# KiCad board pcb.kicad_pcb (continued)
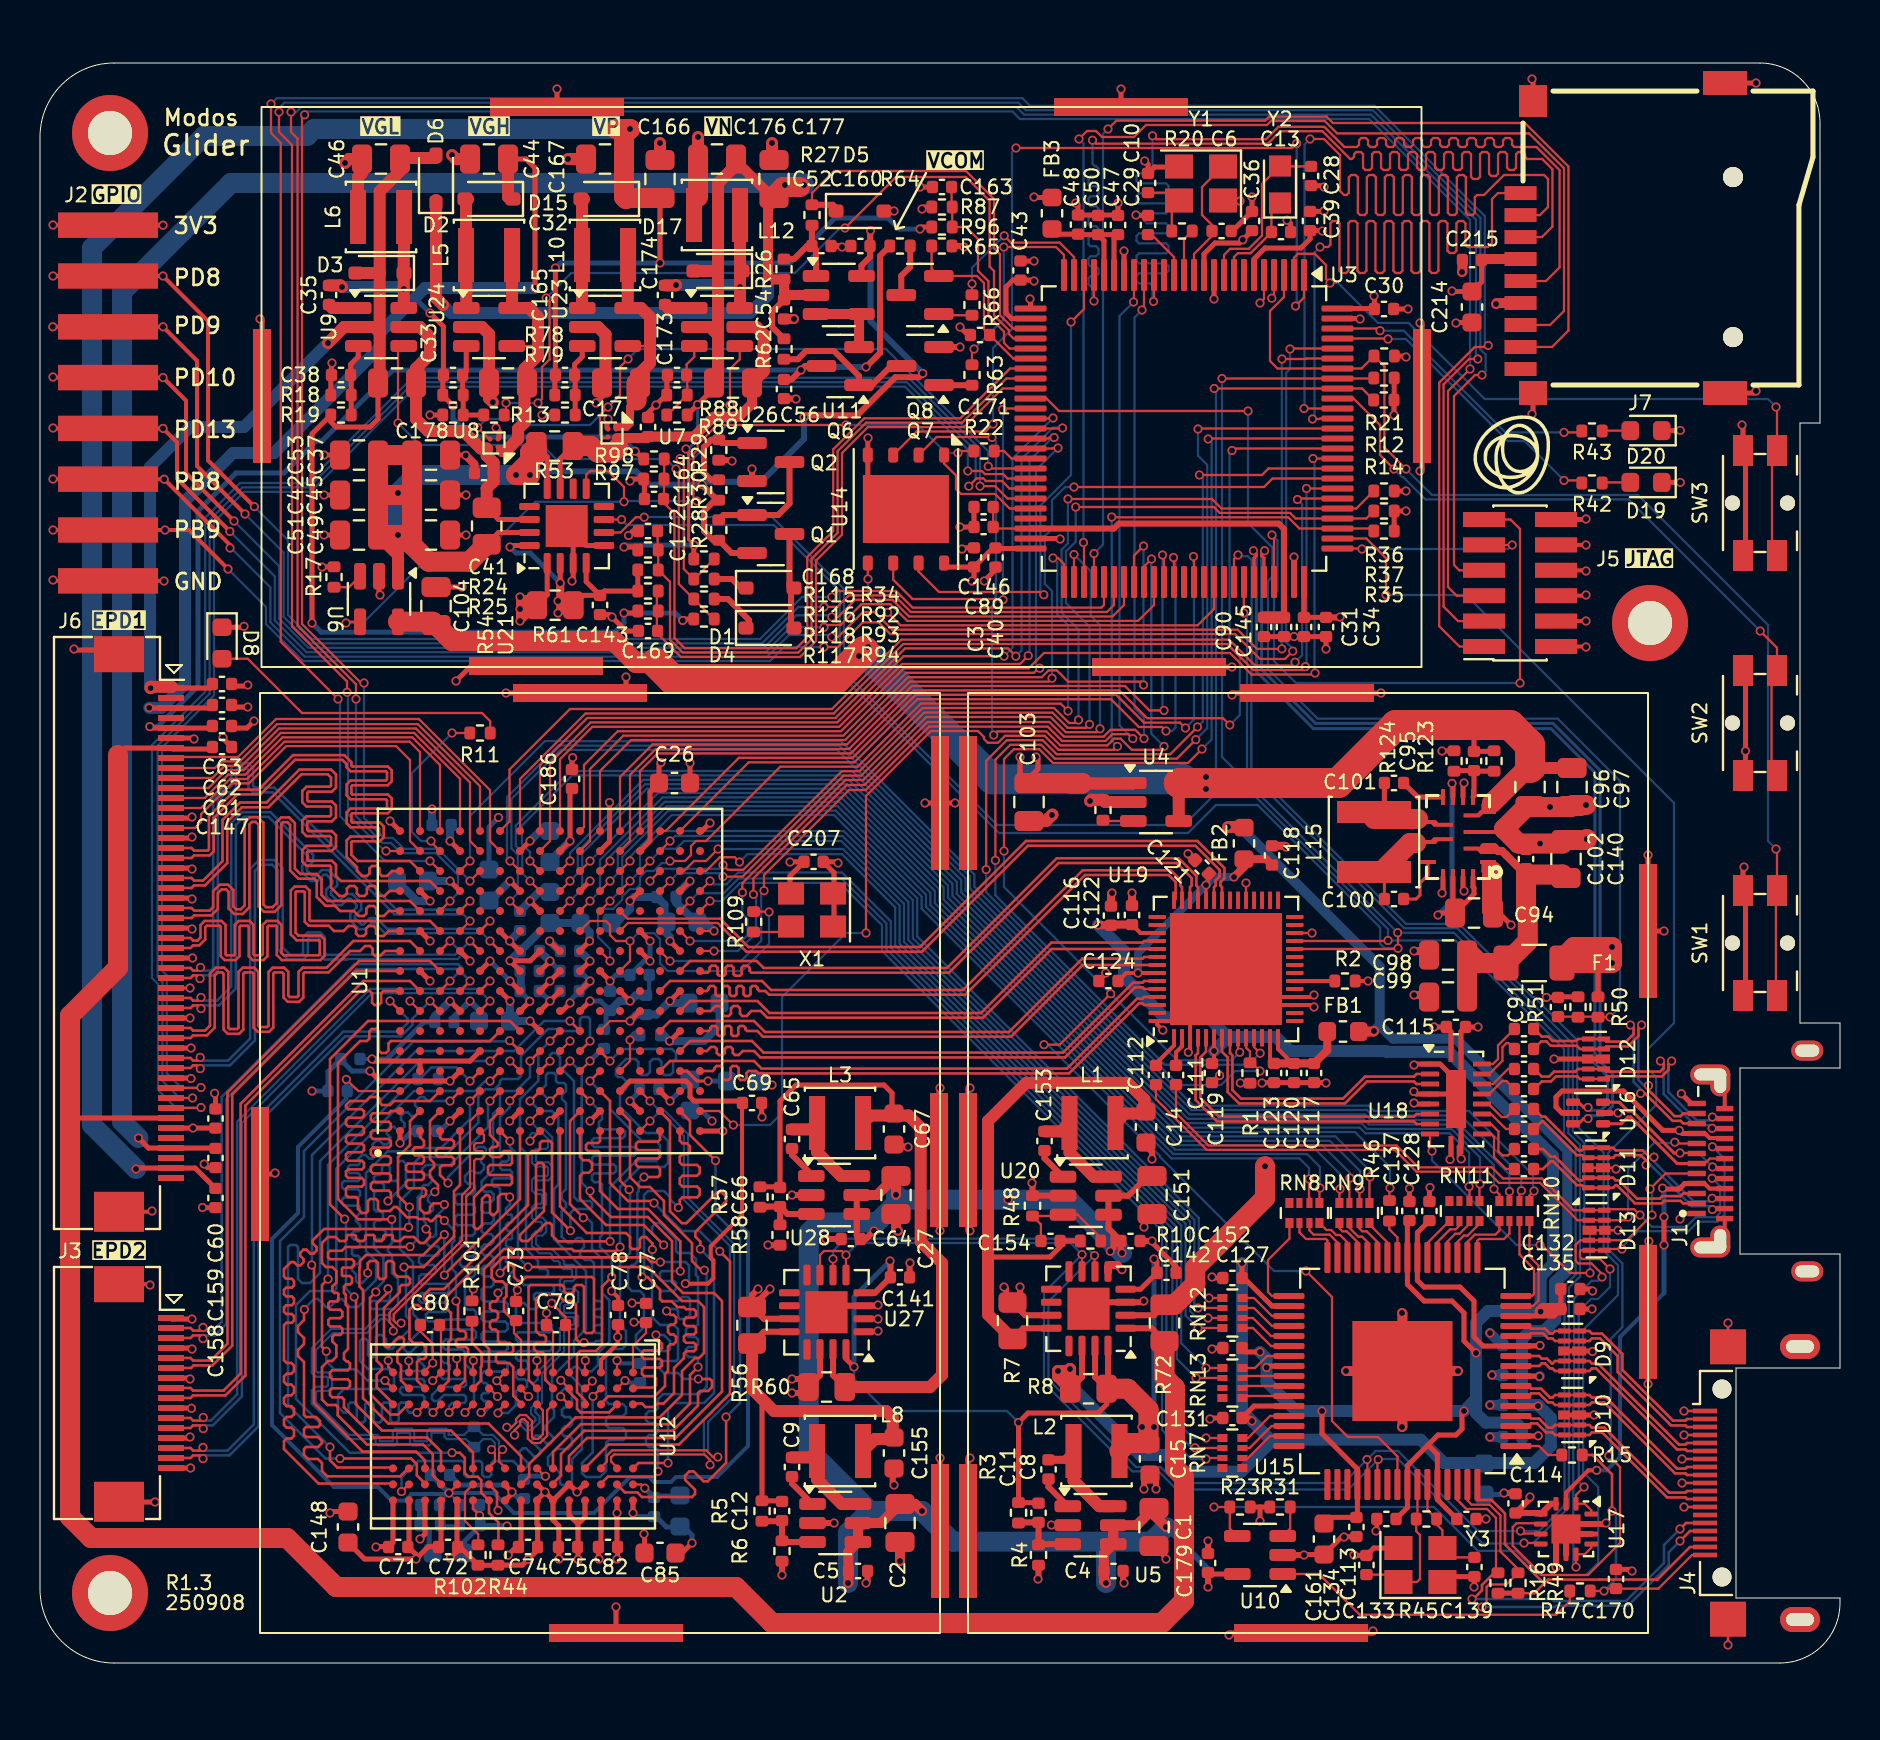
[diagram p0: board, top side]
## Routing (per net, layer and track width the routed paths; a pad name or vN(x,y) marks a point on that pad's centre or on a via; arc(x,y) is an arc through that point) (continued)
  Top w0.12: U27.2 41.89,17.21 v1(41.9,17.2) ; U27.1 41.86,16.56 v1(41.9,16.6)
  Top w0.127: J4.7 v1(82.1,10.2) ; v1(78.9,21.64) D13.8 D13.3 ; v1(78.8,24.7) 78.74,24.76 D11.3 D11.8 ; J4.SH v1(84.4,17) ; J4.SH v1(84.4,0.9) ; v1(21.98,7.38) 21.65,7.71 21.65,8.12 ; J4.4 v1(82.2,11.4) ; J4.1 v1(82.2,12.6) ; 28.85,12.92 28.46,12.53 27.03,12.53 26.85,12.71 26.85,13.16 26.45,13.56 26.45,13.72 ; J4.13 v1(82.2,7.8) ; J4.10 v1(82.1,9)
  Top w0.15: J6.31 v1(7.5,33.75) ; 78.32,27.5 v1(78.9,27.5)
  Top w0.2: J5.2 77.28,50.83 v1(77.3,50.8) ; v1(0.65,54.15) 0.69,54.11 J2.8 6.19,54.11 v1(6.2,54.1) ; J5.4 77.29,52.09 v1(77.3,52.1) ; U19.57 61.1,32.9 U19.17 63.6,32.9 v1(63.7,32.8) ; U19.57 56.7,32.1 U19.56 55.86,31.92 v1(56.14,31.64) ; U19.57 57.5,32.9 U19.3 57.5,30.62 v1(57.41,30.54) ; U19.57 60.7,33.3 U19.18 63.6,33.3 v1(63.7,33.4) ; v1(77.3,54.6) 77.26,54.63 J5.8 ; v1(5.5,18.9) 5.46,18.94 J3.MP ; J1.A1 82.28,22.48 v1(82,22.2) ; R2.1 v1(66.4,34.1) ; C124.2 53.28,34.44 v1(53.28,34.5) ; J1.S1 84.24,28.88 J1.B1 ; J6.MP 5.56,22.56 v1(5.6,22.6) ; J1.S1 84.24,21.33 J1.B12 ; v1(77.3,53.4) 77.26,53.37 J5.6 ; J5.10 77.29,55.91 v1(77.3,55.9) ; v1(28.58,18.6) 28.9,18.28 28.9,17.98
  Top w0.25: U1.B11 v1(19.5,36.1) ; v1(69,67) 69.1,66.9 H5.1 69.1,59.7 v1(69,59.6) ; J3.16 v1(7.53,9.75) ; U6.2 16.95,53.45 v1(17,53.4) ; v1(22.8,61.76) 22.95,61.61 22.95,61.25 ; 6.6,39.75 7.55,39.75 v1(7.6,39.7) ; v1(65.2,6.3) 65.22,6.32 C134.2 65.09,6.32 C161.2 63.22,5.42 v1(63.2,5.4) ; C6.2 59.62,71.6 C36.2 v1(60.6,73.3) ; 20.85,8.12 20.85,5.85 20.89,5.81 ; v1(65.7,5.4) 65.72,5.38 C113.2 66.69,5.75 Y3.4 ; v1(71.9,31.8) 71.28,31.8 71.05,31.58 U18.20 71.05,28.45 U18.21 ; v1(79.6,4.6) 79.52,4.68 C170.2 ; C128.2 69.47,23.75 v1(69.5,23.78) ; C148.2 14.58,7.58 v1(14.5,7.5) ; v1(10.39,48.9) 10.34,48.85 9.58,48.85 ; U13.14 71.15,38.65 v1(71.2,38.6) ; J3.4 7.55,15.75 v1(7.6,15.7) ; v1(16.5,29.6) 17,29.1 v1(20.5,29.1) U1.D4 ; 27.25,8.92 27.22,8.92 v1(26.85,8.55) 26.47,8.92 26.45,8.92 25.65,8.12 ; v1(60.02,29) 60.03,28.99 R1.1 ; v1(80.44,21.08) 80.4,21.04 H22.1 v1(80.4,13.95) ; C147.2 9.15,46.23 v1(9.15,46.27) ; v1(26.6,54.1) 26.66,54.16 U21.3 26.66,56.52 U21.17 27.31,55.88 U21.5 ; v1(27.8,63) 28.28,63.48 28.28,64 ; U3.19 v1(54.2,70.6) ; v1(45,28.75) 44.95,28.7 H13.1 44.95,21.66 v1(45,21.61) ; U1.G15 v1(24.5,41.1) ; 17.65,8.12 17.65,6.03 17.44,5.82 16.82,5.82 v1(16.8,5.8) ; J3.10 7.56,12.75 v1(7.57,12.74) ; v1(10.2,51.84) 10.15,51.79 D8.1 ; 29.65,8.12 v1(29.65,7.5) ; v1(7.6,42.3) 7.55,42.25 6.6,42.25 ; 9.58,46.75 10.35,46.75 v1(10.7,47.1) ; U1.H9 v1(25.5,35.1) ; 63.3,29.02 64.28,29.02 v1(64.3,29) ; 63.3,29.02 C117.2 ; 63.3,29.02 C120.2 C123.2 61.12,29.02 v1(61.1,29) ; C159.2 8.39,24.77 v1(8.21,24.95) ; J6.37 v1(7.55,30.75) ; v1(46,66.8) 46.4,66.4 C171.1 ; C69.2 36.08,27.32 v1(36.1,27.3) ; v1(68.47,23.72) 68.47,23.72 C137.2 ; C133.2 66.84,6.64 v1(66.8,6.6) ; C29.1 54.82,72.38 v1(54.8,72.4) ; 72.65,37.6 72.85,37.6 v1(73.55,36.9) ; v1(64.2,73.8) 64.13,73.87 C28.2 ; C146.1 C89.1 v1(46,56.8) ; U1.L15 28.47,41.07 v1(28.47,43.03) ; v1(25.25,8.55) 25.65,8.14 25.65,8.12 ; v1(25.25,8.55) 24.87,8.92 24.85,8.92 ; v1(25.25,8.55) 24.85,8.15 24.85,6.95 24.9,6.9 24.9,6.7 24.88,6.68 24.88,5.66 v1(24.4,5.18) 24.11,4.89 22.92,4.89 22.91,4.88 21.91,4.88 20.98,5.81 20.89,5.81 ; v1(23.48,27.1) 23.98,27.6 U1.G2 ; C53.1 v1(14.2,60.4) ; v1(49.7,70.1) 49.03,70.1 C43.2 ; 6.6,36.75 7.55,36.75 v1(7.6,36.7) ; C135.2 v1(77.6,17.7) ; U18.21 70.8,29.15 70,29.95 U18.2 68.75,29.95 v1(68.7,29.9) ; U18.21 71.05,27.95 U18.11 70.96,25.81 70.96,25.31 v1(71.06,25.21) ; U18.21 70.55,28.45 U18.5 68.82,28.45 v1(68.69,28.57) ; C127.2 58.65,19.25 v1(58.6,19.3) ; v1(25.95,5.2) 25.94,5.21 25.94,6.86 25.65,7.15 25.65,8.12 ; v1(11,67.2) 11.1,67.1 H6.1 ; v1(77.62,18.6) 77.53,18.7 C132.2 ; v1(7.6,38.2) 7.55,38.25 6.6,38.25 ; H20.1 46.4,10.15 v1(46.5,10.25) ; v1(74.6,79.2) 74.65,79.15 J7.11 ; U1.L2 v1(27.5,27.1) ; v1(54.05,78.7) H8.1 ; U1.J8 v1(25.5,33.1) U1.H7 ; U3.99 65.97,67.22 v1(66,67.2) ; v1(21.28,60.38) 21.27,60.4 C37.1 ; 28.3,48.5 H25.1 ; H25.1 29.2,48.5 29.3,48.6 v1(29.3,49.3) ; H25.1 v1(23.3,48.5) ; R79.1 v1(25.1,62.4) ; U3.49 50.98,56.23 v1(51,56.2) ; C3.2 46.16,55.76 v1(46.1,55.7) ; C169.1 29.3,51.6 v1(28.6,52.3) 28.48,52.42 C143.2 ; 20.89,5.81 20.89,5.62 v1(20.51,5.25) ; 58.7,29.02 58.7,29.1 v1(58.98,29.38) ; J3.1 6.6,17.2 v1(7.6,17.2) ; U1.R6 31.5,31.1 v1(31.47,31.1) ; J6.40 7.53,29.25 v1(7.55,29.22) ; v1(33.5,42) 33.1,41.6 U1.T16 ; R31.1 61,7.8 ; 61,7.8 R23.1 ; 61,7.8 v1(61,7.1) ; 59.1,73.15 59.95,73.15 v1(60,73.1) ; v1(8.12,22.78) 8.13,22.77 C158.2 ; U1.A1 v1(18,26) ; v1(81.2,36.6) H21.1 v1(80.4,40.4) ; J1.A12 82.56,27.98 v1(82.07,28.47) ; C26.2 v1(32.5,45) ; C90.1 C145.1 C31.2 C34.2 v1(64.3,50.7) ; R21.1 68.25,65.35 v1(68.3,65.3) ; v1(85.8,79) 85.8,79 J7.13 ; v1(7.6,41.3) 7.55,41.25 6.6,41.25 ; R124.1 70.11,45.61 v1(70.1,45.6) ; 23.25,8.12 23.6,8.47 v1(23.6,8.55) 23.25,8.9 23.25,8.92 ; v1(72.6,39.6) 72.2,39.6 72.2,40 ; U13.6 71.15,43.95 v1(71.2,44) ; 57,74.8 55.72,74.8 C10.2 55.4,74.94 v1(55.23,75.1) ; v1(29.5,59.1) 29.6,59.2 R97.1 30.22,59.16 C164.1 ; v1(70.8,67) 70.82,67.03 C214.2 ; D19.1 v1(82.01,59.03) ; R87.1 44.2,72.8 v1(44.1,72.7) ; 55,21.1 55.53,21.1 56.81,19.82 C142.2 ; v1(22.5,35.1) U1.E9 ; v1(74.6,62.45) 74.65,62.5 J7.10 ; U1.H12 v1(24.5,38.1) ; U1.K9 v1(27.5,35.1) ; C136.2 58.65,15.75 v1(58.6,15.7) ; v1(14.6,65) 14.57,64.97 C38.2 14.54,64.37 R18.2 ; C42.1 v1(14.2,58.4) ; v1(41.4,61.25) 41.39,61.24 U14.4 41.39,58.21 41.9,57.7 U14.9 ; U1.G8 v1(23.5,34.1) ; v1(77.7,12.4) D10.3 D10.8 ; C30.2 v1(68.4,67.7) ; v1(19,6.2) 19.25,6.45 19.25,8.12 ; v1(32.6,6) 32.15,5.55 31.78,5.55 ; v1(77.62,15.58) 77.6,15.6 D9.3 D9.8 ; J6.34 v1(7.5,32.25) ; v1(70.1,38.5) 70.15,38.55 U13.12 ; D20.1 82,61.62 v1(82.01,61.63) ; C51.1 v1(21.3,58.4) ; v1(14.1,54.8) 14.11,54.81 R17.1 ; C172.2 30.4,62.5 v1(30.8,62.9) 31.3,63.4 R88.2 31.34,64.37 C175.2 ; C40.2 47.78,54.66 v1(47.21,54.1) ; v1(64.2,72.6) 64.18,72.58 C39.2 ; v1(66.65,1.6) 66.55,1.5 H18.1 59.55,1.5 v1(59.45,1.4) ; U1.K7 v1(27.5,33.1) ; U1.N13 v1(29.5,38.1) ; v1(75.32,33.28) C91.2 75.93,33.31 R51.2 ; v1(67.05,48.5) H17.1 59.7,48.5 v1(59.6,48.4) ; v1(28.85,5.2) 28.88,5.23 28.88,5.82 28.85,5.85 28.85,8.12 ; U3.26 49.53,68.17 v1(49.5,68.2) ; H26.1 11.7,24.45 v1(11.75,24.5) ; 3.3,7.85 3.5,8.05 v1(5.75,8.05) ; C139.2 v1(72.3,7.2) ; v1(56.3,5.2) 56.3,5.25 C1.1 ; v1(53.9,73) C47.2 53.88,72.4 C48.2 51.9,72.88 v1(51.78,73) ; U1.T1 v1(34.14,26.6) ; 37.5,38.5 37.5,39.36 C207.1 37.51,40.06 v1(37.5,40.05) ; C45.1 v1(14.2,56.4) ; 9.58,47.8 v1(10.39,47.8) ; U1.M8 v1(29.5,33.1) ; C168.1 29.65,56.6 v1(29.43,56.37) ; v1(7.5,11.3) 7.45,11.25 J3.13 ; R36.2 v1(68.3,58.6) ; v1(44.25,43) H15.1 v1(45.75,43) H19.1 ; v1(21.1,53.8) 19.92,53.8 ; C60.2 8.78,28.44 v1(8.73,28.49) ; 28.35,61.75 28.35,62.15 v1(28.4,62.2) ; J7.12 85.7,63.5 v1(85.8,63.6) ; v1(62.35,72.14) 62.53,71.96 C13.2 ; C49.1 v1(21.3,56.4) ; v1(46.5,28.75) 46.4,28.65 H16.1 46.4,21.71 v1(46.5,21.61) ; C163.1 v1(44,73.8) ; U1.D13 v1(20.5,39.1) ; C131.2 58.55,12.25 v1(58.5,12.2) ; Y3.2 70.39,4.32 C125.2 71.72,3.82 v1(71.7,3.8) ; v1(7.62,35.25) 6.6,35.25 ; H12.1 v1(28.8,2.8) ; v1(25.85,78.7) H7.1 ; 3.35,50.65 1.75,50.65 v1(1.7,50.7) ; H14.1 v1(45,10.25) ; U1.R10 v1(31.5,36.1) ; v1(7.5,14.2) 7.45,14.25 J3.7 ; U1.A16 v1(17.5,42.1) ; H9.1 21.55,49.85 v1(20.8,49.1) ; H23.1 v1(59.6,49.8) ; U3.10 v1(58.7,68.2) ; R25.1 v1(19.5,62.4) ; v1(75.7,30.2) D12.8 D12.3 ; U1.P3 v1(31.5,28.1) ; v1(26.63,45.27) 26.6,45.24 C186.2
  Top w0.3: v1(50.57,6.9) 50.58,6.89 U5.2 ; v1(42.7,8.9) 42.64,8.96 42.64,9.65 ; U17.12 76.55,6.45 U17.15 ; v1(55.8,8.7) 55.8,9.1 55.47,9.42 ; 55,21.1 v1(55.6,21.1) ; v1(43.4,25.8) 43.38,25.83 42.6,25.83 ; 55.47,9.42 55.42,9.42 55.2,9.2 v1(55.2,8.7) ; 55.47,9.42 55.7,9.2 ; v1(37.8,63.2) 37.78,63.22 C56.1 ; U10.2 v1(63.2,5.4) ; 55.22,22.62 55.22,21.83 v1(55.2,21.8) 55.2,22.05 C151.1 ; R58.2 36.41,20.89 v1(36.4,20.9) ; v1(41.9,17.9) 41.86,17.86 U27.3 39.65,17.86 U27.17 ; C64.1 v1(39.3,21.2) ; U2.2 v1(39.7,7) ; R6.2 v1(37.1,4.4) ; v1(73.2,8.5) 73.74,8.5 C114.2 ; v1(75.8,4.8) U17.8 75.8,6.2 U17.15 ; U17.15 76.55,6.95 U17.13 78.25,6.95 v1(78.3,7) ; U17.15 U17.9 ; 42.05,72.6 v1(42.7,72.6) ; Q2.2 v1(35.6,59.7) ; v1(55.19,18.1) 55.13,18.04 U22.3 52.75,18.04 U22.17 ; v1(49.6,24) 49.62,23.97 R48.2 49.63,23.36 U20.2 ; v1(54.2,4) 54.16,4.05 C4.1 ; U28.2 v1(37.6,23.4) ; C141.2 43.48,19.98 v1(43.5,20) ; v1(41.3,4) 41.38,4.08 C5.1 ; R29.1 34.56,60.14 v1(34.6,60.1) ; 55.22,25.92 55.6,25.55 v1(55.6,25.2) ; C52.1 40.05,70.85 v1(40.1,70.8) ; C179.2 v1(58.4,6.1) ; v1(49.9,4.2) 49.92,4.22 R4.2 ; U3.74 v1(62.7,55.3)
  Top w0.4: C122.2 v1(54.6,38.5) ; C178.2 21.72,59.95 v1(21.28,60.38) ; v1(62.3,40.8) 62.24,40.86 C118.2 ; v1(57.4,40.46) 57.73,40.14 C121.2 ; 69.45,35.6 v1(68.7,35.6) ; v1(53.6,38.5) 53.55,38.45 C116.2 ; 69.45,33.4 v1(68.7,33.4)
  Top w0.5: U15.65 v1(70.9,14.6) ; U15.65 v1(65.3,14.6) ; U15.65 68.12,17.48 v1(68.1,17.5) ; U15.65 68.12,11.82 v1(68.1,11.8) ; v1(43,5.1) C2.1 ; J7.6 72.85,68 v1(72.8,67.95) ; 42.8,22.35 42.8,21.71 v1(42.9,21.61) ; C215.2 71.12,69.57 v1(71.1,69.55) ; C54.1 v1(37.7,67.2)
  Top w0.6: U23.2 27.9,66.8 28.28,66.42 28.28,64 ; U24.2 22.1,66.8 22.45,66.45 C32.1 22.45,63.23 v1(22.64,63.04) ; C166.1 v1(31,76) ; v1(20.6,75.4) 20.8,75.2 C44.1 ; C46.2 16.1,74.5 15.9,74.3 L6.2 ; C46.2 15.45,75.2 v1(15.25,75) ; C46.2 16,75.1 ; C167.1 v1(26.4,75.2) ; C176.2 v1(32.9,76.3) ; 36.6,75.15 v1(36.6,76) ; 50.62,42.42 v1(50.6,42.4) 50.3,42.1 C103.1 ; v1(52.5,43.1) 52.56,43.16 R9.1 53.26,43.05 U4.2
  Top w1: v1(77.34,41.2) 77.28,41.15 C140.1 76.12,40.97 73.93,40.97 73.2,41.7 74.3,42.8 76.55,42.8 C97.1 76.65,42.9 v1(77.3,42.9) ; C176.2 32.9,73.3 ; v1(72.6,39.6) 72.6,37.65 72.65,37.6
  Bottom w0.127: 19.98,29.17 20.43,29.17 v1(20.5,29.1)
  Bottom w0.2: C83.2 29,14.98 v1(28.85,15.12) ; C190.2 30.46,33.54 C183.2
  Bottom w0.25: C21.2 22.45,41.8 v1(22.92,42.28) ; v1(73.2,8.5) 73.12,8.42 C162.2 ; 22.01,6.87 23.33,6.87 v1(23.35,6.85) ; 22.01,6.87 21.22,6.09 21.22,5.55 20.82,5.55 v1(20.51,5.25) ; 22.01,6.87 21.98,6.9 v1(21.98,7.38) 21.98,7.92 ; 18.82,26.6 18.6,26.6 v1(18,26) ; v1(32.6,6) 32.6,6.4 32.2,6.8 31.32,6.8 30.8,7.32 29.83,7.32 v1(29.65,7.5) ; v1(27.5,33.1) 28.02,33.1 28.3,32.82 28.3,31.86 ; v1(36.6,28.9) 36.4,29.1 C92.2 ; C84.2 23.93,8.22 v1(23.6,8.55) 23.25,8.9 21,8.9 20.48,9.42 20.48,9.42 ; 24.98,33.6 25,33.6 v1(25.5,33.1) U1.J8 26.02,33.6 ; v1(16.5,29.6) 15.6,29.6 15,30.2 ; C184.2 14.4,29.56 C70.2 v1(13.6,28.6) ; 26.02,34.6 C22.2 v1(25.5,35.1) U1.H9 24.98,34.6 ; v1(22.5,35.1) v1(23.5,34.1) ; C16.2 32.5,29.1 v1(31.5,28.1) 30.98,28.62 30.98,28.7 ; 29.52,33.08 v1(29.5,33.1) ; v1(27.5,35.1) 27.48,35.1
  Bottom w0.3: C188.2 20.7,32.3 v1(21.5,33.1) 21.95,32.65 C19.2
  Bottom w0.4: R40.2 31.17,31.4 v1(31.47,31.1) 33.2,31.1 33.97,31.88 C150.2 ; v1(24.5,41.1) 25,41.6 C149.2 ; C18.2 24.95,38.55 v1(24.5,38.1) 24,37.6 C25.2 ; v1(25.5,35.1) 25.48,35.1 C24.2 ; C20.2 28.8,37 29.5,37.7 v1(29.5,38.1) 29.7,38.3 C187.2 31.22,37.92 31.22,36.58 31.5,36.3 v1(31.5,36.1) ; C23.2 27,35.6 v1(27.5,35.1) ; C156.2 v1(20.5,39.1) ; C58.2 28.98,33.1 v1(29.5,33.1) 29.78,33.38 C190.2 ; C182.2 v1(19.6,42.7)
  Bottom w0.5: C126.2 v1(72.5,12.9) ; v1(72.5,16.5) 73.1,15.9 C129.2 ; C130.2 v1(72.6,14.4) ; C138.2 v1(72.5,11.3)
  vias: v1(28.85,7.5) v1(62.7,51.32) v1(75,40.97) v1(75.5,42.8)
VBUS_MEA: length 59.2
  Top w0.11: v1(60.4,62.6) 50.95,62.6 50.32,63.23 U3.35 ; v1(78.5,32.3) 77.91,32.3 R50.2 77.87,32.32 C91.1
  Bottom w0.11: v1(60.4,62.6) 60.4,57 61.62,55.78 61.62,54.32 61.4,54.1 61.4,49.7 62.5,48.6 62.5,48.6 63.88,47.22 75.88,47.22 79,44.1 79,32.8 v1(78.5,32.3)
+DRAM_VREF: length 103
  Top w0.11: U1.A3 15.92,28.6 15.8,28.72 15.78,28.72 v1(15.32,29.18) ; 23.75,17.04 23.7,16.99 23.7,16.5 24.05,16.15 24.05,14.57
  Top w0.127: v1(20.45,8.5) 20.85,8.9 20.85,8.92
  Top w0.13: 23.75,17.04 23.2,17.59 23.2,18.21 23.32,18.33 23.32,18.88 23.12,19.08 22.77,19.08 22.58,19.27 22.58,19.72 23.14,20.28 30.32,20.28 30.55,20.05 v1(31.02,20.05)
  Top w0.2: v1(32.27,18.97) 33.4,18.97 33.67,19.24 33.67,20.13 33.54,20.26 33.54,20.83 v1(34.8,22.1) 35.1,22.4 35.1,27.98 C69.1
  Top w0.25: C69.1 35.02,28.1 32.7,28.1 32.5,28.3 32.5,28.9 32.3,29.1 29.5,29.1 U1.M3
  Bottom w0.127: 19.96,6.87 20.99,6.87 20.99,7.89 21.02,7.92 21.02,7.93 v1(20.45,8.5) 19.93,7.98 19.93,7.92 19.96,7.89 19.96,6.87
  Bottom w0.13: v1(31.02,20.05) 32.27,20.05 32.45,19.87 32.45,19.15 v1(32.27,18.97)
  Bottom w0.2: v1(15.32,29.18) 15.32,28.21 12.9,25.8 12.9,22.5 11.6,21.2 11.6,11.9 14.7,8.8 16.9,8.8 17.58,8.12 18.26,8.12 18.55,8.41 18.55,8.45 20.4,8.45 v1(20.45,8.5) 22.7,8.5 23.7,7.5 27.7,7.5 29.5,9.3 30.45,9.3 30.7,9.05 31.55,9.05 31.8,9.3 33.85,9.3 35.4,10.85 35.4,21.5 v1(34.8,22.1)
  Bottom w0.25: 20.48,8.53 v1(20.45,8.5) 19.53,9.42 19.52,9.42
+VGH: length 63.8
  Top w0.25: 8.62,47.8 8.57,47.75 5.47,47.75 v1(5.46,47.76) ; C44.2 24.3,75.2 24.75,74.75 v1(24.75,68.75) ; v1(20.65,62.87) 20.14,63.38 R24.2 20.14,64.37 C41.2 20.17,66.83 v1(19.5,67.5) ; R98.2 30.14,60.2 v1(29.75,60.59)
  Top w0.6: 23.5,73.2 23.4,73.3 C44.2
  Bottom w0.25: v1(20.65,62.87) 20.65,62.21 21.56,61.3 29.05,61.3 v1(29.75,60.59) ; v1(19.5,67.5) 18.75,68.25
  Bottom w0.6: v1(5.46,47.76) 6.06,47.76 7.25,48.95 7.25,58.1 9.65,60.5 11.7,60.5 16.99,65.79 16.99,66.5 19.24,68.75 v1(24.75,68.75)
+VP: length 116.6
  Top w0.25: v1(31,70) C166.2 ; v1(25.77,69.75) C165.2 25.74,64.37 R78.2 ; R96.2 44.1,71.8 v1(44,71.7) ; v1(4.8,24.7) 4.85,24.75 J6.49 7.75,24.75 C158.1
  Top w1: C166.2 29.35,73.25 29.3,73.2 29.2,73.3 C167.2 29.2,76.4 v1(29.5,76.7) v1(28.8,76.7)
  Bottom w0.25: v1(44,71.7) 42.95,71.7 42.4,72.25 39.75,72.25 37.5,70 v1(31,70) 26.02,70 v1(25.77,69.75)
  Bottom w1: v1(29.5,76.7) v1(28.8,76.7) 13.7,76.7 13.35,76.35 8.2,76.35 2.6,70.75 2.6,26.9 v1(4.8,24.7)
-VCOM: length 60.2
  Top w0.25: v1(5.49,46.82) 5.56,46.75 8.62,46.75
  Top w0.3: C56.2 37.58,64.18 v1(38.05,64.65) 38.25,64.85 Q6.3 ; R64.2 42,70.36 42,65.5 v1(41.3,64.8)
  Bottom w0.25: v1(5.49,46.82) 5.88,46.82 7.9,48.84 7.9,57.6 9.8,59.5 12.2,59.5 13.8,61.1 14.1,61.1 17.65,64.65 v1(38.05,64.65)
  Bottom w0.3: v1(38.05,64.65) 38.2,64.8 v1(41.3,64.8)
-VGL: length 79.7
  Top w0.25: v1(32.14,52.13) 32.21,52.2 R94.1 ; 6.6,48.75 8.52,48.75 8.62,48.85 ; C33.1 16.9,62.2 16.5,61.8 14.8,61.8 14.54,62.06 R19.1 13.6,61.46 v1(13.6,52) ; R117.1 29.79,52.5 v1(29.2,52.5)
  Top w0.6: C33.1 16.98,64.09 16.98,66.52 ; 16.98,66.52 16.7,66.8 U9.2 15.2,66.8 v1(14.4,66) ; 16.98,66.52 16.98,69.5 ; 6.6,48.81 5.54,48.81 5.53,48.8 v1(5.53,48.74) ; 19.8,75.25 18.05,75.25 C46.1 18,74.6 16.98,73.59 16.98,69.5 ; 16.98,69.5 15.95,69.5
  Bottom w0.25: v1(32.14,52.13) 31.76,52.5 v1(29.2,52.5) 29.2,52 28.74,51.54 14.06,51.54 v1(13.6,52)
  Bottom w0.6: v1(14.4,66) 10.2,61.8 7.5,61.8 5.5,59.8 5.5,48.77 v1(5.53,48.74)
-VN: length 150
  Top w0.15: v1(32.3,60.7) 32.43,60.57 32.43,56.17 v1(32.7,55.9)
  Top w0.25: 8.47,25.75 J6.47 5.42,25.75 v1(4.92,26.25) ; v1(29.2,55.8) 29.74,55.8 R115.1 29.92,55.68 ; R89.1 v1(32.88,62.92) 33.7,63.74 C173.1 ; R34.1 32.69,55.89 v1(32.7,55.9)
  Top w0.3: R62.2 36.6,66.81 36.6,67.56 C54.2
  Top w0.5: U11.2 37.44,68.4 C54.2 R26.1 36.58,69.18 v1(36.4,69) 36.4,73.05 36.6,73.25 36.6,73.3 34.8,75.1 C176.1
  Top w0.6: 33.9,69.6 33.9,66.4 ; 33.9,69.6 33.9,74 34.8,74.9 C176.1 ; 33.9,69.6 32.85,69.6 ; 33.9,66.4 33.9,64.2 C173.1 ; 33.9,66.4 33.5,66.8 U26.2 ; v1(20.15,67.9) 19.8,68.25 19.8,73.15
  Top w1: 36.55,73.2 37.15,73.8 38,73.8
  Bottom w0.15: v1(32.88,62.92) 32.88,61.18 32.4,60.7 v1(32.3,60.7)
  Bottom w0.25: v1(32.7,55.9) 29.3,55.9 v1(29.2,55.8)
  Bottom w0.6: v1(36.4,69) 36.4,68.4 35.5,67.5 20.55,67.5 v1(20.15,67.9)
  Bottom w1: v1(4.92,26.25) 4.1,27.08 4.1,68.55 9.55,74 38.1,74 v1(38.2,73.9) v1(37.25,73.9)
/dp_in/CC1: length 28
  Top w0.11: v1(76.8,4.8) U17.10 77.24,5.44 77.56,5.76 U17.11 ; v1(80.6,22.4) 79.34,21.14 D13.4 77.02,21.14 76.78,20.9 76.78,20.12 76.92,19.98 77.58,19.98 78.1,19.45 v1(78.1,19.3) ; v1(80.5,23.7) 81.28,24.48 J1.A5
  Bottom w0.11: v1(80.5,23.7) 80.6,23.6 v1(80.6,22.4) ; v1(78.1,19.3) 77.91,19.11 77.58,19.11 76.7,18.23 76.7,13.2 76.66,13.17 76.66,4.94 v1(76.8,4.8)
/dp_in/CC2: length 28.3
  Top w0.11: U17.14 77.56,7.64 77.24,7.96 U17.1 76.8,8.4 v1(77.2,8.8) ; v1(78.5,19.7) 78,20.2 77.1,20.2 77,20.3 77,20.6 77.04,20.64 D13.5 78.22,20.64 78.28,20.7 v1(79.1,20.7) ; v1(83.62,25.81) 83.71,25.72 J1.B5
  Bottom w0.11: v1(83.62,25.81) 84.23,25.21 84.23,22.41 83.88,22.07 82.9,22.07 82.42,21.59 79.89,21.59 79.1,20.8 v1(79.1,20.7) ; v1(77.2,8.8) 76.94,9.06 76.94,17.59 77.55,18.2 77.9,18.2 78.5,18.8 v1(78.5,19.7)
/dp_in/DP0N: length 15.1
  Top w0.127: U19.5 58.3,30.56 58.02,30.28 58.02,28.25 58.95,27.32 68.69,27.32 68.82,27.45 U18.7
/dp_in/DP0P: length 15.4
  Top w0.127: U18.8 68.82,26.95 68.69,27.08 58.85,27.08 57.78,28.15 57.78,30.38 57.9,30.5 U19.4
/dp_in/DP1N: length 13.2
  Top w0.127: U19.8 59.5,30.5 59.62,30.38 59.62,28.65 60.05,28.22 65.15,28.22 66.25,29.32 68.69,29.32 68.82,29.45 U18.3
/dp_in/DP1P: length 13.7
  Top w0.127: U18.4 68.82,28.95 68.69,29.08 66.35,29.08 65.25,27.98 59.95,27.98 59.38,28.55 59.38,30.28 59.1,30.56 U19.7
/dp_in/DPAUXN: length 1.8
  Top w0.2: U19.1 56.7,30.88 55.8,29.98 C112.2
/dp_in/DPAUXP: length 1.5
  Top w0.2: U19.2 57.1,30.84 56.8,30.54 C111.2
/dp_in/RX1N: length 9.4
  Top w0.127: C105.1 75.15,25.7 75.53,25.32 75.75,25.32 76.94,24.13 77.09,24.13 77.22,24.26 D11.9 D11.2 78.66,24.26 78.79,24.13 78.94,24.13 79.85,23.22 80.99,23.22 81.11,23.34 82.03,23.34 82.16,23.48 J1.A3
/dp_in/RX1NC: length 3
  Top w0.11: U18.13 72.55,26.95 72.92,26.58 72.92,25.58 73.12,25.38 73.4,25.38 C105.2
/dp_in/RX1P: length 9.4
  Top w0.127: C106.1 75.15,24.7 75.53,25.08 75.65,25.08 76.84,23.89 77.09,23.89 77.22,23.76 D11.10 D11.1 78.66,23.76 78.79,23.89 78.84,23.89 79.75,22.98 81.09,22.98 81.21,23.11 82.03,23.11 82.16,22.98 J1.A2
/dp_in/RX1PC: length 2.9
  Top w0.11: C106.2 73.3,24.7 72.7,25.3 72.7,26.3 72.55,26.45 U18.12
/dp_in/RX2N: length 12.9
  Top w0.127: C109.1 74.71,29.7 75.09,29.32 75.45,29.32 75.7,29.57 76.77,29.57 76.9,29.7 D12.9 D12.2 78.32,29.57 81,29.57 81.18,29.75 81.18,29.94 v1(81.02,30.1) ; J1.B3 83.62,26.72 v1(83.61,26.74)
  Bottom w0.127: v1(81.02,30.1) 81.18,29.94 81.18,28.45 82.74,26.89 83.45,26.89 v1(83.61,26.74)
/dp_in/RX2NC: length 1.9
  Top w0.11: C109.2 73.4,29.7 72.65,28.95 U18.17
/dp_in/RX2P: length 12.9
  Top w0.127: C110.1 74.71,28.7 75.09,29.08 75.55,29.08 75.8,29.33 76.87,29.33 77,29.2 D12.10 D12.1 78.32,29.33 81.1,29.33 81.42,29.65 81.42,29.94 v1(81.58,30.1) ; J1.B2 83.7,27.22 v1(83.62,27.3)
  Bottom w0.127: v1(83.62,27.3) 83.45,27.13 82.84,27.13 81.42,28.55 81.42,29.94 v1(81.58,30.1)
/dp_in/RX2PC: length 2.1
  Top w0.11: U18.16 72.46,28.45 73.11,29.1 73.32,29.1 C110.2
/dp_in/SBU1: length 33.3
  Top w0.11: v1(81.74,26.04) 81.8,25.98 J1.A8 ; v1(79.4,22.3) 79.24,22.14 76.88,22.14 75.01,24 72.95,24 72.39,24.56 68.82,24.56 67.73,25.66 58.33,25.66 55.8,28.19 C112.1
  Bottom w0.11: v1(79.4,22.3) 79.4,24.7 80.7,26 81.7,26 v1(81.74,26.04)
/dp_in/SBU2: length 33.8
  Top w0.11: v1(80,22.4) 79.71,22.69 78.27,22.69 78.22,22.64 76.69,22.64 75.1,24.22 73.15,24.22 72.59,24.78 68.91,24.78 67.82,25.88 58.42,25.88 56.8,27.5 C111.1 ; v1(83.61,24.24) 83.62,24.22 J1.B8
  Bottom w0.11: v1(80,22.4) 80.59,21.81 82.31,21.81 82.79,22.29 83.79,22.29 84.01,22.51 84.01,23.84 v1(83.61,24.24)
/dp_in/TX1N: length 11.8
  Top w0.127: J1.B10 83.62,23.22 v1(83.61,23.24) ; C7.1 74.71,27.7 75.09,27.32 75.25,27.32 76.94,25.63 77.09,25.63 77.22,25.76 D11.6 D11.5 78.66,25.76 78.79,25.63 80.14,25.63 80.47,25.3 v1(80.7,25.3)
  Bottom w0.127: v1(80.7,25.3) 80.7,25.07 82.69,23.08 83.45,23.08 v1(83.61,23.24)
/dp_in/TX1NC: length 2.1
  Top w0.11: U18.15 72.43,27.95 73.08,27.3 73.32,27.3 C7.2
/dp_in/TX1P: length 11.8
  Top w0.127: v1(80.3,24.9) 80.3,25.13 80.04,25.39 78.79,25.39 78.66,25.26 D11.4 D11.7 77.22,25.26 77.09,25.39 76.84,25.39 75.15,27.08 75.09,27.08 74.71,26.7 C55.1 ; J1.B11 83.66,22.72 v1(83.62,22.68)
  Bottom w0.127: v1(83.62,22.68) 83.45,22.84 82.59,22.84 80.53,24.9 v1(80.3,24.9)
/dp_in/TX1PC: length 1.9
  Top w0.11: C55.2 73.3,26.7 72.55,27.45 U18.14
/dp_in/TX2N: length 13.1
  Top w0.127: J1.A10 82.16,26.98 82.03,27.11 81.63,27.11 80.26,28.48 v1(80.03,28.48) ; C107.1 74.71,31.7 75.09,31.32 75.42,31.32 75.64,31.1 76.8,31.1 76.9,31.2 D12.6 D12.5 78.32,31.07 79.3,31.07 79.68,31.45 79.68,31.74 v1(79.52,31.9)
  Bottom w0.127: v1(80.03,28.48) 80.03,28.7 79.68,29.05 79.68,31.74 v1(79.52,31.9)
/dp_in/TX2NC: length 2.7
  Top w0.11: U18.19 72.65,29.95 72.9,30.2 72.9,30.88 C107.2
/dp_in/TX2P: length 13.1
  Top w0.127: C108.1 75.06,31.08 75.32,31.08 75.54,30.86 76.84,30.86 77,30.7 D12.7 D12.4 78.32,30.83 79.4,30.83 79.92,31.35 79.92,31.74 v1(80.08,31.9) ; J1.A11 82.16,27.48 82.03,27.34 81.72,27.34 80.42,28.64 v1(80.42,28.87)
  Bottom w0.127: v1(80.08,31.9) 79.92,31.74 79.92,29.15 80.2,28.87 v1(80.42,28.87)
/dp_in/TX2PC: length 2.8
  Top w0.11: U18.18 72.46,29.45 73.12,30.11 73.12,30.79 73.33,31 73.42,31 C108.2
/epd_power/EN_VGL: length 27.1
  Top w0.11: v1(31.8,59.7) 31.94,59.56 31.94,53.95 R93.1 33.69,52.2 R94.2 ; v1(17.9,62) 17.9,65.56 U9.4
  Bottom w0.11: v1(17.9,62) 19,60.9 25.1,60.9 25.8,60.2 31.3,60.2 v1(31.8,59.7)
/epd_power/EN_VN: length 15
  Top w0.11: v1(32.01,60.22) 32.19,60.04 32.19,54.7 R92.1 32.71,54.2 R34.2 ; v1(34.5,62.9) 34.5,64.7 34.99,65.19 U26.4
  Bottom w0.11: v1(34.5,62.9) 34.5,62.05 32.66,60.21 32.02,60.21 v1(32.01,60.22)
/fpga_ddr/DRAM_ADDR0: length 35.9
  Top w0.127: 20.05,12.97 20.05,12.92 v1(19.65,12.52) ; U1.K5 v1(27.5,31.1)
  Bottom w0.127: v1(27.5,31.1) 27.5,32.2 27.4,32.3 27.1,32.3 27,32.2 27,31.8 26.8,31.6 26,31.6 25.9,31.7 25.4,31.7 24.05,30.35 24.05,29.35 23.9,29.2 23.1,29.2 23,29.1 23,28.96 22.73,28.68 22.28,28.68 21.9,28.3 21.92,28.28 21.92,27.01 20.2,25.3 19,25.3 18.7,25 18.7,23.8 18,23.1 18,20.7 18.65,20.05 18.65,17.45 19,17.1 19,16.6 18.2,15.8 18.2,15.7 18.38,15.52 18.52,15.52 19,16 19.12,16 19.22,15.9 19.22,15.62 18.9,15.3 18.9,15.16 19.22,14.84 19.22,14.7 19.2,14.7 19.1,14.6 18.1,14.6 18,14.5 18,14.3 18.1,14.2 19.12,14.2 19.22,14.1 19.22,13.9 19.2,13.9 19.1,13.8 18.1,13.8 18,13.7 18,13.56 18.16,13.4 19.12,13.4 19.22,13.3 19.22,12.95 v1(19.65,12.52)
/fpga_ddr/DRAM_ADDR1: length 35.9
  Top w0.127: v1(13.58,19.9) 13.7,19.78 13.7,13 16.12,10.57 18.8,10.57 19.25,10.12 19.25,9.77 ; U1.K6 v1(26.5,32.1)
  Bottom w0.127: v1(13.58,19.9) 13.6,19.91 13.6,25.4 18.8,30.6 23.7,30.6 25.2,32.1 v1(26.5,32.1)
/fpga_ddr/DRAM_ADDR2: length 35
  Top w0.127: v1(18.85,12.52) 19.25,12.92 19.25,12.97 ; v1(18.2,19.8) 19.18,19.8 20.7,21.32 20.7,23.6 21,23.9 U1.D1
  Bottom w0.127: v1(18.2,19.8) 18.3,19.7 18.3,17.35 18.5,17.15 18.5,16.7 18,16.2 17.8,16.2 17.7,16.1 17.7,15.8 17.6,15.7 17.4,15.7 17.3,15.8 17.3,16.2 17.1,16.4 16.9,16.4 16.8,16.3 16.8,15.4 16.7,15.3 16.5,15.3 16.4,15.4 16.4,16.1 16.3,16.2 16.1,16.2 16,16.1 16,15.1 16.4,14.7 17.4,14.7 17.7,14.4 17.7,13.8 17.6,13.7 15.2,13.7 14.9,13.4 14.9,12.8 15.17,12.52 15.31,12.52 15.42,12.63 15.42,12.92 15.52,13.02 15.73,13.02 15.84,12.92 15.84,12.13 15.94,12.02 16.15,12.02 16.26,12.13 16.26,12.92 16.36,13.02 16.57,13.02 16.68,12.92 16.68,12.13 16.78,12.02 16.99,12.02 17.1,12.13 17.1,12.92 17.2,13.02 17.41,13.02 17.52,12.92 17.52,12.13 17.62,12.02 17.83,12.02 17.94,12.13 17.94,12.92 18.04,13.02 18.25,13.02 18.36,12.92 18.36,12.63 18.46,12.52 v1(18.85,12.52)
/fpga_ddr/DRAM_ADDR3: length 35.8
  Top w0.127: v1(28.5,21.08) 25.9,21.08 25.6,21.38 25.6,21.9 25.5,22 25.3,22 24.4,21.1 24.1,21.1 24,21.2 24,21.4 25.2,22.6 25.2,24.9 25.1,25 24.9,25 24.8,24.9 24.8,22.8 20.38,18.38 ; 20.05,13.72 20.44,14.11 20.44,14.93 20.42,14.95 20.42,16.04 20.55,16.17 20.55,17.5 20.3,17.75 20.3,18.3 ; U1.L4 v1(27.5,29.1)
  Top w0.13: 20.38,18.38 20.3,18.3
  Bottom w0.127: v1(27.5,29.1) 28.5,28.1 28.5,27.7 30.1,26.1 30.8,26.1 31,25.9 31,25.3 30.8,25.1 29.8,25.1 28.5,23.8 v1(28.5,21.08)
/fpga_ddr/DRAM_ADDR4: length 35.9
  Top w0.127: v1(23.48,31.11) U1.G5 ; v1(15,10.22) 18.55,10.22 18.84,9.94 18.84,9.38 19.25,8.97
  Bottom w0.127: v1(15,10.22) 14.28,10.22 12,12.5 12,21.1 13.2,22.3 13.2,25.6 18.68,31.08 23.45,31.08 v1(23.48,31.11)
/fpga_ddr/DRAM_ADDR5: length 35.1
  Top w0.127: 24.9,25.6 25,25.7 25,26 25.1,26.1 25.5,26.1 25.6,26 25.6,25.4 ; 18.47,17.27 18.47,16.2 18.67,16 19.1,16 19.3,15.8 19.3,15.3 19.2,15.2 19,15.2 18.85,15.05 18.85,14.12 19.25,13.72 ; U1.H4 v1(25.5,30.1) ; 23.22,21.72 20.25,18.75
  Top w0.13: 20.25,18.75 20.2,18.7 19.5,18.7 19.2,18.4 19.2,18.2 19.4,18 19.4,17.8 19.3,17.7 19.1,17.7 18.9,17.9 18.7,17.9 18.47,17.67 18.47,17.27 ; 25.6,25.4 25.6,22.53 v1(26.52,21.61) ; 23.22,21.72 24.4,22.9 24.4,25.4 24.6,25.6 24.9,25.6
  Bottom w0.127: v1(25.5,30.1) 25.5,30.4 25.6,30.5 25.8,30.5 26,30.3 26,29.8 26.7,29.1 26.7,23.3 26.9,23.1 27.5,23.1 27.6,23 27.6,22.8 27.5,22.7 26.72,22.7 26.52,22.5 v1(26.52,21.61)
